# Allegro board 038RT-9068CJK8E-A100_0921_1.brd (continued)
## Placement (name value [footprint] x y rotation side) (continued)
LDB1  LDG-2-S8  [LED_0805]  347.46 18.6 0 top
LDB2  LDG-2-S8  [LED_0805]  339.44 18.61 0 top
LDB3  LDG-2-S8  [LED_0805]  647.33 23.22 0 top
LDB4  LDG-2-S8  [LED_0805]  338.95 30.07 0 top
LDB5  LDG-2-S8  [LED_0805]  338.95 39.37 0 top
LDB6  LDG-2-S8  [LED_0805]  339.58 48.9 180 top
LDOB2  1117-1A-18-SOT223  [SOT223]  53.2 407.03 0 top
LH11  L2.2U-1.15A-S2.0X1.6-TDK  [IND_VL252012E]  211.24 36.83 0 bottom
LH21  L2.2U-1.15A-S2.0X1.6-TDK  [IND_VL252012E]  273.25 36.83 0 bottom
LOGO1  LOGO_RT_Realtek  [LOGO_RT_REALTEK]  337.68 393.7 0 top
LOGO2  -  [LOGO_KT_KSMT]  132.17 95.13 0 top
LRB1  330-1-S6  [R0603]  350.1 17.75 90 top
LRB2  330-1-S6  [R0603]  342.08 17.75 90 top
LRB3  1K-1-S6  [R0603]  646.4 20.96 180 top
LRB4  2K-1-S6  [R0603]  341.61 29.13 270 top
LRB5  1.5K-1-S6  [R0603]  341.62 38.55 270 top
LRB6  1.5K-1-S6  [R0603]  337.04 48.26 270 top
LX1  L1U-3.3A-S2.5X2-TY  [IND_VL252012E]  119.59 37.11 90 top
MOS1  CSD19537Q3-VSON8  [TRANS_VSON8_3P3X3P3_0P65MM]  20.96 387.86 180 top
MQS1  MQS-9X2-MR  [CONN_19635391_18P_90]  6.8 105.03 270 bottom
MUX1  MUX36D04IRUMR-WQFN16  [WQFN4X4_16P_0P65MM_EP_TI]  338.65 275.66 270 bottom
MUX2  MUX36D04IRUMR-WQFN16  [WQFN4X4_16P_0P65MM_EP_TI]  326.89 195.65 270 bottom
MUX3  MUX36D04IRUMR-WQFN16  [WQFN4X4_16P_0P65MM_EP_TI]  327.27 275.66 270 bottom
MUX4  MUX36D04IRUMR-WQFN16  [WQFN4X4_16P_0P65MM_EP_TI]  327.22 241.37 270 bottom
MUX5  MUX36D04IRUMR-WQFN16  [WQFN4X4_16P_0P65MM_EP_TI]  326.89 207.08 270 bottom
MUX6  MUX36D04IRUMR-WQFN16  [WQFN4X4_16P_0P65MM_EP_TI]  338.65 207.08 270 bottom
MUX7  MUX36D04IRUMR-WQFN16  [WQFN4X4_16P_0P65MM_EP_TI]  338.65 241.37 270 bottom
MUX8  MUX36D04IRUMR-WQFN16  [WQFN4X4_16P_0P65MM_EP_TI]  327.22 252.8 270 bottom
MUX9  MUX36D04IRUMR-WQFN16  [WQFN4X4_16P_0P65MM_EP_TI]  338.65 195.65 270 bottom
MUX10  MUX36D04IRUMR-WQFN16  [WQFN4X4_16P_0P65MM_EP_TI]  338.65 252.8 270 bottom
MUX11  MUX36D04IRUMR-WQFN16  [WQFN4X4_16P_0P65MM_EP_TI]  327.22 264.23 270 bottom
MUX12  MUX36D04IRUMR-WQFN16  [WQFN4X4_16P_0P65MM_EP_TI]  338.65 264.23 270 bottom
MUX13  MUX36D04IRUMR-WQFN16  [WQFN4X4_16P_0P65MM_EP_TI]  338.65 229.94 270 bottom
MUX14  MUX36D04IRUMR-WQFN16  [WQFN4X4_16P_0P65MM_EP_TI]  338.65 218.51 270 bottom
MUX15  MUX36D04IRUMR-WQFN16  [WQFN4X4_16P_0P65MM_EP_TI]  326.89 218.51 270 bottom
MUX16  MUX36D04IRUMR-WQFN16  [WQFN4X4_16P_0P65MM_EP_TI]  326.89 229.94 270 bottom
NOREF  -  []  -13.71 220.6 90 top
NOREF#2  -  []  72.6 284.37 0 top
NOREF#3  -  []  89.01 266.63 0 top
NOREF#4  -  []  92.07 289.19 90 top
NOREF#5  -  []  513.71 419.02 90 top
NOREF#6  -  []  291.27 208.23 90 top
NOREF#7  -  []  259.3 244.22 0 top
NOREF#8  -  []  400.72 47.53 90 top
NOREF#9  -  []  402.9 209.4 90 top
NOREF#10  -  []  593.59 202.61 0 top
NOREF#11  -  []  335.29 428.29 90 top
NOREF#12  -  []  288.89 263.45 90 top
NOREF#13  -  []  633.45 137.73 0 top
NOREF#14  -  []  545.02 238.4 0 top
NOREF#15  -  []  595.19 208.25 90 top
NOREF#16  -  []  402.49 267.45 90 top
NOREF#17  -  []  92.07 229.19 90 top
NOREF#18  -  []  616.44 153.42 90 top
NOREF#19  -  []  190.91 447.73 90 top
NOREF#20  -  []  290.9 202.2 90 top
NOREF#21  -  []  437.4 284.38 90 top
NOREF#22  -  []  284.47 207.82 0 top
NOREF#23  -  []  325.92 216.53 0 top
NOREF#24  -  []  20.34 193.68 90 top
NOREF#25  -  []  517.83 415.37 0 top
NOREF#26  -  []  98.17 266.22 0 top
NOREF#27  -  []  596.4 203 90 top
NOREF#28  -  []  455.44 430.09 90 top
NOREF#29  -  []  307.99 28.45 90 top
NOREF#30  -  []  610.95 179.12 90 top
NOREF#31  -  []  90.2 264.6 90 top
NOREF#32  -  []  283.67 263.02 0 top
NOREF#33  -  []  235.4 210.11 90 top
NOREF#34  -  []  8.31 175.65 90 top
NOREF#35  -  []  402.07 205.42 0 top
NOREF#36  -  []  139.3 49.42 90 top
NOREF#37  -  []  89.79 209.01 0 top
NOREF#38  -  []  409.71 208.23 0 top
NOREF#39  -  []  285.3 203 90 top
NOREF#40  -  []  595.17 198.65 90 top
NOREF#41  -  []  12.6 391.36 0 top
NOREF#42  -  []  356.84 34.34 0 top
NOREF#43  -  []  603.19 270.63 0 top
NOREF#44  -  []  243.3 296.22 0 top
NOREF#45  -  []  123.93 47.77 0 top
NOREF#46  -  []  265.96 215.24 90 top
NOREF#47  -  []  618 181.02 90 top
NOREF#48  -  []  592.76 262.63 0 top
NOREF#49  -  []  603.97 208.23 90 top
NOREF#50  -  []  221.05 431.62 90 top
NOREF#51  -  []  404.87 265.83 90 top
NOREF#52  -  []  433.97 50.36 90 top
NOREF#53  -  []  281.44 439.19 0 top
NOREF#54  -  []  283.29 200.23 0 top
NOREF#55  -  []  294.28 243.91 90 top
NOREF#56  -  []  76.56 137.16 90 top
NOREF#57  -  []  280.88 284.18 90 top
NOREF#58  -  []  407.31 273.01 0 top
NOREF#59  -  []  604.02 19.99 0 top
NOREF#60  -  []  92.97 267.45 90 top
NOREF#61  -  []  623.58 219.93 90 top
NOREF#62  -  []  328.18 43.43 0 top
NOREF#63  -  []  602.97 27.29 0 top
NOREF#64  -  []  519.43 419.02 90 top
NOREF#65  -  []  603.99 267.41 0 top
NOREF#66  -  []  604.79 204.21 0 top
NOREF#67  -  []  -13.71 271.4 0 top
NOREF#68  -  []  397.21 439.19 0 top
NOREF#69  -  []  436.2 227.06 0 top
NOREF#70  -  []  95.81 230.09 0 top
NOREF#71  -  []  86.61 210.61 0 top
NOREF#72  -  []  254.87 184.16 0 top
NOREF#73  -  []  286.34 278.14 0 top
NOREF#74  -  []  578.34 153.42 90 top
NOREF#75  -  []  595.99 266.61 0 top
NOREF#76  -  []  592.75 241.71 90 top
NOREF#77  -  []  491.67 436.45 0 top
NOREF#78  -  []  89.77 210.63 90 top
NOREF#79  -  []  601.17 264.62 0 top
NOREF#80  -  []  102.23 229.19 90 top
NOREF#81  -  []  403.29 269.83 90 top
NOREF#82  -  []  234.04 39.2 90 top
NOREF#83  -  []  92.99 263.43 90 top
NOREF#84  -  []  75.45 189.07 0 top
NOREF#85  -  []  13.21 427.47 0 top
NOREF#86  -  []  367.28 205.92 0 top
NOREF#87  -  []  400.89 206.63 90 top
NOREF#88  -  []  508.85 29.72 90 top
NOREF#89  -  []  628.51 261.62 0 top
NOREF#90  -  []  512.11 434.42 0 top
NOREF#91  -  []  111.14 276.9 90 top
NOREF#92  -  []  623.43 338.45 90 top
NOREF#93  -  []  397.27 269.42 0 top
NOREF#94  -  []  88.88 289.44 90 top
NOREF#95  -  []  93.4 265.39 90 top
NOREF#96  -  []  132.95 57.02 0 top
NOREF#97  -  []  25.18 396.01 0 top
NOREF#98  -  []  85.81 208.21 0 top
NOREF#99  -  []  86.97 211.02 0 top
NOREF#100  -  []  58.89 276.31 0 top
NOREF#101  -  []  256.81 206.2 0 top
NOREF#102  -  []  200.25 427.89 90 top
NOREF#103  -  []  566.28 309.63 90 top
NOREF#104  -  []  79.65 179.12 90 top
NOREF#105  -  []  56.94 216.31 0 top
NOREF#106  -  []  60.63 187.41 90 top
NOREF#107  -  []  605.2 207 90 top
NOREF#108  -  []  285.59 278.14 0 top
NOREF#109  -  []  101.96 164.08 0 top
NOREF#110  -  []  92.57 330.58 90 top
NOREF#111  -  []  629.25 166.63 0 top
NOREF#112  -  []  622.66 309.88 0 top
NOREF#113  -  []  287.7 261.39 90 top
NOREF#114  -  []  405.59 278.14 0 top
NOREF#115  -  []  93.81 262.63 0 top
NOREF#116  -  []  597.2 268.6 90 top
NOREF#117  -  []  290.07 268.62 0 top
NOREF#118  -  []  75.12 325.6 0 top
NOREF#119  -  []  91.74 290.09 0 top
NOREF#120  -  []  412.2 222.09 0 top
NOREF#121  -  []  88.57 203.02 0 top
NOREF#122  -  []  518.93 277.5 0 top
NOREF#123  -  []  295.3 226.19 0 top
NOREF#124  -  []  406.92 37.13 90 top
NOREF#125  -  []  627.76 256.98 0 top
NOREF#126  -  []  405.69 261.03 90 top
NOREF#127  -  []  211.55 423.14 90 top
NOREF#128  -  []  284.44 279.42 90 top
NOREF#129  -  []  404.89 209.03 0 top
NOREF#130  -  []  345.5 415.37 0 top
NOREF#131  -  []  143.38 240.39 0 top
NOREF#132  -  []  278.91 35.51 90 top
NOREF#133  -  []  120.03 32.67 90 top
NOREF#134  -  []  2.21 226.48 90 top
NOREF#135  -  []  228.47 432.64 90 top
NOREF#136  -  []  164.3 154.22 90 top
NOREF#137  -  []  278.85 284.18 90 top
NOREF#138  -  []  90.59 205.05 90 top
NOREF#139  -  []  544.43 50.35 90 top
NOREF#140  -  []  123.55 320.04 0 top
NOREF#141  -  []  544.43 48.15 90 top
NOREF#142  -  []  604.77 198.65 90 top
NOREF#143  -  []  594.77 203.82 0 top
NOREF#144  -  []  88.19 269.83 90 top
NOREF#145  -  []  405.67 198.65 90 top
NOREF#146  -  []  627.76 201.62 0 top
NOREF#147  -  []  336.65 232.64 0 top
NOREF#148  -  []  602.77 207.02 0 top
NOREF#149  -  []  334.02 43.18 90 top
NOREF#150  -  []  94.57 264.25 90 top
NOREF#151  -  []  594.39 261.85 90 top
NOREF#152  -  []  88.19 202.61 0 top
NOREF#153  -  []  95.77 211.82 0 top
NOREF#154  -  []  90.91 289.44 90 top
NOREF#155  -  []  13.26 176.2 90 top
NOREF#156  -  []  22.81 385.51 90 top
NOREF#157  -  []  91.37 258.65 90 top
NOREF#158  -  []  414.28 243.91 90 top
NOREF#159  -  []  369.13 332.54 90 top
NOREF#160  -  []  87.8 200.59 90 top
NOREF#161  -  []  310.22 43.28 0 top
NOREF#162  -  []  593.61 269.03 0 top
NOREF#163  -  []  3.19 50.29 90 top
NOREF#164  -  []  274.75 243.91 90 top
NOREF#165  -  []  404.07 201.05 90 top
NOREF#166  -  []  437.41 285.76 90 top
NOREF#167  -  []  18.92 463.94 90 top
NOREF#168  -  []  70.21 137.16 90 top
NOREF#169  -  []  91 211.8 90 top
NOREF#170  -  []  554.62 422.8 90 top
NOREF#171  -  []  86.17 211.82 0 top
NOREF#172  -  []  224.25 429.34 90 top
NOREF#173  -  []  287.7 203 90 top
NOREF#174  -  []  560.97 422.8 90 top
NOREF#175  -  []  182.72 259.08 0 top
NOREF#176  -  []  518.88 28.83 0 top
NOREF#177  -  []  155.82 24.68 0 top
NOREF#178  -  []  683.79 350.52 0 top
NOREF#179  -  []  347.1 428.29 90 top
NOREF#180  -  []  277.14 280.07 0 top
NOREF#181  -  []  683.79 340.36 90 top
NOREF#182  -  []  365.04 263.71 90 top
NOREF#183  -  []  288.5 212.6 90 top
NOREF#184  -  []  400.89 206.65 90 top
NOREF#185  -  []  52.64 154.01 0 top
NOREF#186  -  []  151.93 427.5 90 top
NOREF#187  -  []  601.57 198.65 90 top
NOREF#188  -  []  281.75 283.21 90 top
NOREF#189  -  []  111.14 212.87 90 top
NOREF#190  -  []  288.07 209.83 90 top
NOREF#191  -  []  578.98 309.63 90 top
NOREF#192  -  []  81.47 325.6 0 top
NOREF#193  -  []  279.31 261.81 0 top
NOREF#194  -  []  89.77 204.23 90 top
NOREF#195  -  []  404.89 267.45 90 top
NOREF#196  -  []  97.01 229.44 90 top
NOREF#197  -  []  570.9 279.17 0 top
NOREF#198  -  []  285.71 204.21 0 top
NOREF#199  -  []  597.57 262.63 90 top
NOREF#200  -  []  272.29 378.77 0 top
NOREF#201  -  []  403.29 261.03 90 top
NOREF#202  -  []  747.89 85.99 0 top
NOREF#203  -  []  600.4 207 90 top
NOREF#204  -  []  35.57 402.14 0 top
NOREF#205  -  []  419.7 23.33 90 top
NOREF#206  -  []  674.38 209.28 0 top
NOREF#207  -  []  598.37 271.43 90 top
NOREF#208  -  []  176.21 260.48 90 top
NOREF#209  -  []  747.89 56.17 90 top
NOREF#210  -  []  157.3 225.22 90 top
NOREF#211  -  []  156.88 425.85 90 top
NOREF#212  -  []  6.8 325.12 90 top
NOREF#213  -  []  325.46 40.08 90 top
NOREF#214  -  []  310.79 420.16 90 top
NOREF#215  -  []  606.28 336.17 0 top
NOREF#216  -  []  91.37 268.23 90 top
NOREF#217  -  []  88.19 266.65 90 top
NOREF#218  -  []  352.2 210.11 0 top
NOREF#219  -  []  604.95 242.91 0 top
NOREF#220  -  []  595.17 271.43 90 top
NOREF#221  -  []  519.43 219.56 0 top
NOREF#222  -  []  362.71 261.95 90 top
NOREF#223  -  []  422.18 96.61 90 top
NOREF#224  -  []  250.33 273.28 90 top
NOREF#225  -  []  14.11 147.57 0 top
NOREF#226  -  []  638.54 158.23 90 top
NOREF#227  -  []  73.52 159.77 90 top
NOREF#228  -  []  273.03 205.66 90 top
NOREF#229  -  []  406.1 203 90 top
NOREF#230  -  []  519.64 28.57 90 top
NOREF#231  -  []  608.78 270.47 0 top
NOREF#232  -  []  402.1 200.59 90 top
NOREF#233  -  []  88.6 266.2 90 top
NOREF#234  -  []  130.67 309.63 90 top
NOREF#235  -  []  585 219.22 0 top
NOREF#236  -  []  86.22 330.58 90 top
NOREF#237  -  []  89.79 205.01 0 top
NOREF#238  -  []  423.14 201.84 90 top
NOREF#239  -  []  98.17 202.22 0 top
NOREF#240  -  []  541 433.7 0 top
NOREF#241  -  []  98.17 201.42 0 top
NOREF#242  -  []  76.56 141.22 0 top
NOREF#243  -  []  594.8 207 90 top
NOREF#244  -  []  409.71 269.03 0 top
NOREF#245  -  []  91.41 268.21 0 top
NOREF#246  -  []  104.79 266.48 90 top
NOREF#247  -  []  286.26 429.34 90 top
NOREF#248  -  []  592.79 204.25 90 top
NOREF#249  -  []  175.67 34.34 0 top
NOREF#250  -  []  450.3 165.22 90 top
NOREF#251  -  []  407.27 260.25 90 top
NOREF#252  -  []  411.29 268.25 90 top
NOREF#253  -  []  87.39 211.45 90 top
NOREF#254  -  []  602.39 272.23 90 top
NOREF#255  -  []  413.17 221.66 0 top
NOREF#256  -  []  536 186.22 90 top
NOREF#257  -  []  602.77 206.22 0 top
NOREF#258  -  []  410.07 208.62 0 top
NOREF#259  -  []  176.21 266.69 90 top
NOREF#260  -  []  290.07 209.42 0 top
NOREF#261  -  []  280.89 210.61 0 top
NOREF#262  -  []  173.1 216.36 0 top
NOREF#263  -  []  607.48 210.92 0 top
NOREF#264  -  []  601.17 269.42 0 top
NOREF#265  -  []  690.26 210.48 90 top
NOREF#266  -  []  602 200.59 90 top
NOREF#267  -  []  293.67 207.43 90 top
NOREF#268  -  []  407.7 211.8 90 top
NOREF#269  -  []  602.41 269.03 0 top
NOREF#270  -  []  493.48 28.83 0 top
NOREF#271  -  []  410.07 270.22 0 top
NOREF#272  -  []  245.04 211.34 90 top
NOREF#273  -  []  600.01 210.61 0 top
NOREF#274  -  []  96.19 205.05 90 top
NOREF#275  -  []  357.85 225.12 0 top
NOREF#276  -  []  40.87 393.84 90 top
NOREF#277  -  []  292.09 211.41 0 top
NOREF#278  -  []  201.73 144.61 0 top
NOREF#279  -  []  124.85 246.22 90 top
NOREF#280  -  []  87.41 201.81 0 top
NOREF#281  -  []  98.92 309.63 90 top
NOREF#282  -  []  88.19 201.03 90 top
NOREF#283  -  []  72.02 201.92 90 top
NOREF#284  -  []  408.09 201.03 0 top
NOREF#285  -  []  491.67 436.45 90 top
NOREF#286  -  []  89.79 269.01 0 top
NOREF#287  -  []  97.79 209.01 0 top
NOREF#288  -  []  84.82 289.44 90 top
NOREF#289  -  []  412.2 218.14 0 top
NOREF#290  -  []  638.54 368.07 0 top
NOREF#291  -  []  -13.71 271.4 90 top
NOREF#292  -  []  330.29 216.51 90 top
NOREF#293  -  []  383.3 286.22 0 top
NOREF#294  -  []  104.51 268.11 0 top
NOREF#295  -  []  10.39 295.92 0 top
NOREF#296  -  []  269.26 418.84 0 top
NOREF#297  -  []  549.42 238.4 0 top
NOREF#298  -  []  259.01 266.2 0 top
NOREF#299  -  []  366.3 205.49 90 top
NOREF#300  -  []  254.99 422.36 90 top
NOREF#301  -  []  275.11 280.07 0 top
NOREF#302  -  []  171.22 438.45 90 top
NOREF#303  -  []  151.93 431.9 90 top
NOREF#304  -  []  27.3 398.43 0 top
NOREF#305  -  []  604.79 204.23 0 top
NOREF#306  -  []  603.6 211 90 top
NOREF#307  -  []  665.97 8.25 90 top
NOREF#308  -  []  287.31 264.21 0 top
NOREF#309  -  []  609.08 213.32 90 top
NOREF#310  -  []  293.69 266.65 90 top
NOREF#311  -  []  498.69 29.72 90 top
NOREF#312  -  []  290.47 271.45 90 top
NOREF#313  -  []  574.23 325.6 0 top
NOREF#314  -  []  195.9 214.96 90 top
NOREF#315  -  []  62.77 193.11 0 top
NOREF#316  -  []  92.99 199.45 90 top
NOREF#317  -  []  96.13 229.19 90 top
NOREF#318  -  []  50.35 235.47 90 top
NOREF#319  -  []  588.37 160.02 90 top
NOREF#320  -  []  401.69 199.43 0 top
NOREF#321  -  []  404.87 265.03 90 top
NOREF#322  -  []  89.79 261.85 90 top
NOREF#323  -  []  468.22 144.61 0 top
NOREF#324  -  []  599.17 207.45 90 top
NOREF#325  -  []  309.28 271.63 90 top
NOREF#326  -  []  711.28 193.4 90 top
NOREF#327  -  []  49.95 408.79 0 top
NOREF#328  -  []  336.31 40.37 0 top
NOREF#329  -  []  356.63 444.8 90 top
NOREF#330  -  []  408.47 211.82 0 top
NOREF#331  -  []  510.28 416.31 90 top
NOREF#332  -  []  232.2 270.11 0 top
NOREF#333  -  []  284.07 261.05 90 top
NOREF#334  -  []  91.41 208.21 0 top
NOREF#335  -  []  286.9 209.4 90 top
NOREF#336  -  []  276.79 378.54 0 top
NOREF#337  -  []  94.17 203.02 0 top
NOREF#338  -  []  334.02 34.54 90 top
NOREF#339  -  []  286.49 203.43 90 top
NOREF#340  -  []  170.9 222.56 0 top
NOREF#341  -  []  354.63 43.03 0 top
NOREF#342  -  []  124.32 159.77 90 top
NOREF#343  -  []  284.47 267.82 0 top
NOREF#344  -  []  559.16 50.59 0 top
NOREF#345  -  []  408.07 198.65 90 top
NOREF#346  -  []  605.57 204.23 90 top
NOREF#347  -  []  54.59 138.62 0 top
NOREF#348  -  []  601.17 263.82 0 top
NOREF#349  -  []  437.41 283.73 90 top
NOREF#350  -  []  15.63 421.73 90 top
NOREF#351  -  []  161.06 32 0 top
NOREF#352  -  []  280.89 262.63 90 top
NOREF#353  -  []  193.95 443.92 90 top
NOREF#354  -  []  282.49 270.63 0 top
NOREF#355  -  []  91 273.4 90 top
NOREF#356  -  []  340.05 29.35 90 top
NOREF#357  -  []  407.9 193.53 90 top
NOREF#358  -  []  244.78 204.62 0 top
NOREF#359  -  []  409.69 209.81 0 top
NOREF#360  -  []  3.19 50.29 90 top
NOREF#361  -  []  90.97 130.38 0 top
NOREF#362  -  []  92.19 267.43 90 top
NOREF#363  -  []  416.45 263.55 90 top
NOREF#364  -  []  207.73 260.48 90 top
NOREF#365  -  []  282.59 283.86 0 top
NOREF#366  -  []  4.29 215.18 0 top
NOREF#367  -  []  15.31 49.04 90 top
NOREF#368  -  []  599.6 204.6 90 top
NOREF#369  -  []  91.62 279.97 90 top
NOREF#370  -  []  591.57 207.82 0 top
NOREF#371  -  []  278.1 273.42 0 top
NOREF#372  -  []  18.92 423.82 0 top
NOREF#373  -  []  195.72 50.36 90 top
NOREF#374  -  []  -57.3 359.4 0 top
NOREF#375  -  []  19.97 399.67 90 top
NOREF#376  -  []  201.75 416.84 90 top
NOREF#377  -  []  89.79 209.83 90 top
NOREF#378  -  []  280.89 206.65 90 top
NOREF#379  -  []  411.29 203.43 0 top
NOREF#380  -  []  3.19 176.66 90 top
NOREF#381  -  []  278.1 259.02 90 top
NOREF#382  -  []  336.67 194.67 90 top
NOREF#383  -  []  439.11 220.64 0 top
NOREF#384  -  []  405.67 258.65 90 top
NOREF#385  -  []  399.31 267.43 0 top
NOREF#386  -  []  283.79 219.4 90 top
NOREF#387  -  []  623.43 331.22 90 top
NOREF#388  -  []  291.7 271.79 90 top
NOREF#389  -  []  279.67 267.82 0 top
NOREF#390  -  []  400.43 436.44 0 top
NOREF#391  -  []  76.66 262.82 0 top
NOREF#392  -  []  337.68 41.15 90 top
NOREF#393  -  []  682.28 175.65 90 top
NOREF#394  -  []  593.59 263.45 90 top
NOREF#395  -  []  98.17 264.62 0 top
NOREF#396  -  []  287.31 207.43 0 top
NOREF#397  -  []  292.09 268.21 0 top
NOREF#398  -  []  400.08 191.74 90 top
NOREF#399  -  []  81.66 197.87 90 top
NOREF#400  -  []  450.71 431.58 90 top
NOREF#401  -  []  175.84 23.47 0 top
NOREF#402  -  []  549.02 439.84 90 top
NOREF#403  -  []  612.96 208.8 90 top
NOREF#404  -  []  232.75 326.54 90 top
NOREF#405  -  []  91.41 260.23 0 top
NOREF#406  -  []  285.3 266.22 0 top
NOREF#407  -  []  72.75 309.88 0 top
NOREF#408  -  []  314.33 378.54 0 top
NOREF#409  -  []  282.64 439.19 0 top
NOREF#410  -  []  276.81 284.18 90 top
NOREF#411  -  []  404.11 205.03 0 top
NOREF#412  -  []  411.27 268.23 90 top
NOREF#413  -  []  341.24 17.61 90 top
NOREF#414  -  []  631.5 368.07 0 top
NOREF#415  -  []  406.49 259.43 0 top
NOREF#416  -  []  31.61 146.69 0 top
NOREF#417  -  []  6.8 89.79 90 top
NOREF#418  -  []  365.04 202.32 90 top
NOREF#419  -  []  601.17 209.42 0 top
NOREF#420  -  []  408.47 210.22 0 top
NOREF#421  -  []  276.31 219.42 90 top
NOREF#422  -  []  439.11 224.7 0 top
NOREF#423  -  []  559.57 429.85 90 top
NOREF#424  -  []  218.06 42.53 0 top
NOREF#425  -  []  592.37 201.42 0 top
NOREF#426  -  []  141.16 432.9 90 top
NOREF#427  -  []  59.69 368.97 90 top
NOREF#428  -  []  16.37 405.76 90 top
NOREF#429  -  []  399.2 428.64 90 top
NOREF#430  -  []  353.03 27.05 90 top
NOREF#431  -  []  282.1 269.39 90 top
NOREF#432  -  []  622.79 136.27 90 top
NOREF#433  -  []  6.8 89.79 90 top
NOREF#434  -  []  284.5 269.39 90 top
NOREF#435  -  []  295.3 286.19 0 top
NOREF#436  -  []  479.26 59.33 315 top
NOREF#437  -  []  24.7 11.57 0 top
NOREF#438  -  []  287.67 267.02 0 top
NOREF#439  -  []  207.25 418.84 0 top
NOREF#440  -  []  94.61 206.63 0 top
NOREF#441  -  []  700.31 228.6 0 top
NOREF#442  -  []  422.18 326.54 90 top
NOREF#443  -  []  79.6 253.22 0 top
NOREF#444  -  []  283.29 204.23 90 top
NOREF#445  -  []  -57.3 253.42 90 top
NOREF#446  -  []  24.62 65.41 0 top
NOREF#447  -  []  89.26 141.22 0 top
NOREF#448  -  []  92.97 259.45 90 top
NOREF#449  -  []  439.11 226.73 0 top
NOREF#450  -  []  399.31 201.81 0 top
NOREF#451  -  []  434.68 274.83 0 top
NOREF#452  -  []  325.22 243.37 0 top
NOREF#453  -  []  34.34 258.72 90 top
NOREF#454  -  []  506.73 426.39 90 top
NOREF#455  -  []  111.14 216.9 90 top
NOREF#456  -  []  90.2 269.39 90 top
NOREF#457  -  []  574.97 192.26 90 top
NOREF#458  -  []  141.18 234.04 0 top
NOREF#459  -  []  582.96 422.55 0 top
NOREF#460  -  []  279.31 267.43 0 top
NOREF#461  -  []  355.4 203 90 top
NOREF#462  -  []  352.82 428.29 90 top
NOREF#463  -  []  282.9 269.39 90 top
NOREF#464  -  []  546.97 19.23 0 top
NOREF#465  -  []  603.19 201.83 0 top
NOREF#466  -  []  52.64 386.09 90 top
NOREF#467  -  []  97.37 263.82 0 top
NOREF#468  -  []  595.21 260.23 0 top
NOREF#469  -  []  397.88 43.68 0 top
NOREF#470  -  []  278.85 280.37 90 top
NOREF#471  -  []  81.77 314.58 0 top
NOREF#472  -  []  356 284.13 90 top
NOREF#473  -  []  461.09 43.68 0 top
NOREF#474  -  []  343.73 342.54 90 top
NOREF#475  -  []  398.87 269.42 0 top
NOREF#476  -  []  498.27 219.56 0 top
NOREF#477  -  []  379.53 416.84 90 top
NOREF#478  -  []  606.65 240.8 90 top
NOREF#479  -  []  27.76 392.59 0 top
NOREF#480  -  []  592.37 271.82 0 top
NOREF#481  -  []  286.49 204.23 0 top
NOREF#482  -  []  190.56 177.16 0 top
NOREF#483  -  []  58.14 276.31 0 top
NOREF#484  -  []  241.79 224.66 90 top
NOREF#485  -  []  277.27 269.42 0 top
NOREF#486  -  []  284.91 264.21 0 top
NOREF#487  -  []  102.23 289.19 90 top
NOREF#488  -  []  272.35 179.12 90 top
NOREF#489  -  []  592.37 268.62 0 top
NOREF#490  -  []  177.86 265.29 90 top
NOREF#491  -  []  279.76 435.84 0 top
NOREF#492  -  []  280.66 40.93 0 top
NOREF#493  -  []  7.76 146.3 90 top
NOREF#494  -  []  286.49 209.03 90 top
NOREF#495  -  []  280.09 208.25 90 top
NOREF#496  -  []  618.68 347.19 0 top
NOREF#497  -  []  631.5 153.12 0 top
NOREF#498  -  []  437.4 286.41 90 top
NOREF#499  -  []  615.17 269.12 90 top
NOREF#500  -  []  508.45 448.21 90 top
NOREF#501  -  []  595.19 272.21 0 top
NOREF#502  -  []  92.97 264.25 90 top
NOREF#503  -  []  441.2 378.54 0 top
NOREF#504  -  []  412.35 225.56 90 top
NOREF#505  -  []  275.66 223.21 90 top
NOREF#506  -  []  356.58 229.54 0 top
NOREF#507  -  []  393.06 190.84 90 top
NOREF#508  -  []  601.2 271.79 90 top
NOREF#509  -  []  238.83 270.99 0 top
NOREF#510  -  []  631.5 360.47 90 top
NOREF#511  -  []  58.29 144.76 90 top
NOREF#512  -  []  638.54 145.52 90 top
NOREF#513  -  []  598.85 182.91 0 top
NOREF#514  -  []  246.3 205.49 90 top
NOREF#515  -  []  157.34 222.56 0 top
NOREF#516  -  []  623.88 224.89 0 top
NOREF#517  -  []  411.31 273.01 0 top
NOREF#518  -  []  591.21 270.63 0 top
NOREF#519  -  []  284.09 209.03 0 top
NOREF#520  -  []  405.3 261.39 90 top
NOREF#521  -  []  411.27 209.03 90 top
NOREF#522  -  []  283.27 258.65 90 top
NOREF#523  -  []  98.59 272.23 90 top
NOREF#524  -  []  189.31 434.8 90 top
NOREF#525  -  []  20.34 283.52 0 top
NOREF#526  -  []  272.35 179.12 0 top
NOREF#527  -  []  513.8 28.83 0 top
NOREF#528  -  []  392.3 279.22 0 top
NOREF#529  -  []  447.2 330.54 90 top
NOREF#530  -  []  89.01 265.83 0 top
NOREF#531  -  []  166.95 282.81 90 top
NOREF#532  -  []  59.69 376.57 0 top
NOREF#533  -  []  85.81 268.23 0 top
NOREF#534  -  []  89.37 206.22 0 top
NOREF#535  -  []  272.3 219.22 0 top
NOREF#536  -  []  440.02 280.31 0 top
NOREF#537  -  []  602.39 201.83 0 top
NOREF#538  -  []  602.39 263.45 90 top
NOREF#539  -  []  174.78 27.61 90 top
NOREF#540  -  []  378.17 53.56 90 top
NOREF#541  -  []  166.78 27.05 90 top
NOREF#542  -  []  679.31 292.82 0 top
NOREF#543  -  []  599.99 263.43 90 top
NOREF#544  -  []  584.63 255.55 0 top
NOREF#545  -  []  336.65 198.35 0 top
NOREF#546  -  []  96.99 259.45 90 top
NOREF#547  -  []  600.81 201.81 0 top
NOREF#548  -  []  606.33 181.7 0 top
NOREF#549  -  []  538.08 52.55 90 top
NOREF#550  -  []  634.21 261.68 0 top
NOREF#551  -  []  88.57 267.82 0 top
NOREF#552  -  []  147.51 432.9 90 top
NOREF#553  -  []  246.53 273.53 0 top
NOREF#554  -  []  -11.44 173.92 0 top
NOREF#555  -  []  194.25 228.77 90 top
NOREF#556  -  []  412.87 202.65 90 top
NOREF#557  -  []  106.35 215.65 90 top
NOREF#558  -  []  51.69 410.53 0 top
NOREF#559  -  []  602.39 205.03 0 top
NOREF#560  -  []  378.7 32.38 90 top
NOREF#561  -  []  413.69 261.05 90 top
NOREF#562  -  []  404.09 269.83 90 top
NOREF#563  -  []  137.98 240.39 0 top
NOREF#564  -  []  410.87 201.42 0 top
NOREF#565  -  []  130.67 319.79 90 top
NOREF#566  -  []  625.03 325.6 0 top
NOREF#567  -  []  182.96 434.8 90 top
NOREF#568  -  []  617.84 334.01 90 top
NOREF#569  -  []  406.47 202.63 90 top
NOREF#570  -  []  51.24 157.48 90 top
NOREF#571  -  []  207.73 96.61 90 top
NOREF#572  -  []  610.09 130.56 90 top
NOREF#573  -  []  3.19 17.91 90 top
NOREF#574  -  []  603.99 206.65 90 top
NOREF#575  -  []  529.78 232.05 0 top
NOREF#576  -  []  591.27 181.05 90 top
NOREF#577  -  []  61.87 253.36 0 top
NOREF#578  -  []  591.04 157.23 0 top
NOREF#579  -  []  90.2 204.6 90 top
NOREF#580  -  []  615.48 149.4 90 top
NOREF#581  -  []  607.87 17.54 90 top
NOREF#582  -  []  406.1 268.6 90 top
NOREF#583  -  []  86.97 263.82 0 top
NOREF#584  -  []  101.72 289.46 90 top
NOREF#585  -  []  617.08 309.63 90 top
NOREF#586  -  []  150.53 425.85 90 top
NOREF#587  -  []  97.01 270.63 0 top
NOREF#588  -  []  66.53 157.86 0 top
NOREF#589  -  []  251.52 53.56 90 top
NOREF#590  -  []  392.3 253.22 90 top
NOREF#591  -  []  49.36 427.88 0 top
NOREF#592  -  []  85.47 229.46 90 top
NOREF#593  -  []  556.62 164.08 0 top
NOREF#594  -  []  352.2 263 0 top
NOREF#595  -  []  285.71 269.81 0 top
NOREF#596  -  []  282.51 210.61 0 top
NOREF#597  -  []  602.37 261.05 90 top
NOREF#598  -  []  218.5 444.45 0 top
NOREF#599  -  []  281.69 210.63 0 top
NOREF#600  -  []  567.04 312.42 90 top
NOREF#601  -  []  599.21 204.21 0 top
NOREF#602  -  []  289.69 209.81 0 top
NOREF#603  -  []  117.97 159.77 90 top
NOREF#604  -  []  672.31 222.97 0 top
NOREF#605  -  []  526.3 154.22 90 top
NOREF#606  -  []  556.37 424.45 0 top
NOREF#607  -  []  441.21 286.41 90 top
NOREF#608  -  []  569.32 42.97 90 top
NOREF#609  -  []  603.99 261.83 0 top
NOREF#610  -  []  195.82 21.92 0 top
NOREF#611  -  []  360.41 424.48 90 top
NOREF#612  -  []  673.94 61.21 90 top
NOREF#613  -  []  98.59 264.21 0 top
NOREF#614  -  []  291.29 268.25 90 top
NOREF#615  -  []  285.69 271.43 90 top
NOREF#616  -  []  91.37 198.65 90 top
NOREF#617  -  []  593.17 206.22 0 top
NOREF#618  -  []  94.61 268.23 0 top
NOREF#619  -  []  190.56 177.16 90 top
NOREF#620  -  []  111.62 316.87 90 top
NOREF#621  -  []  85.4 259.02 90 top
NOREF#622  -  []  86.59 209.81 0 top
NOREF#623  -  []  606.37 200.23 90 top
NOREF#624  -  []  367.28 273.53 0 top
NOREF#625  -  []  259.01 213.31 0 top
NOREF#626  -  []  598.8 264.6 90 top
NOREF#627  -  []  183.92 445.82 90 top
NOREF#628  -  []  279.7 200.59 90 top
NOREF#629  -  []  578.21 309.88 0 top
NOREF#630  -  []  8.31 143.27 90 top
NOREF#631  -  []  599.19 266.63 90 top
NOREF#632  -  []  174.78 23.16 0 top
NOREF#633  -  []  417.35 265.79 90 top
NOREF#634  -  []  410.47 200.25 90 top
NOREF#635  -  []  579.74 312.42 90 top
NOREF#636  -  []  590.91 309.88 0 top
NOREF#637  -  []  543.37 230.65 0 top
NOREF#638  -  []  360.52 224.66 0 top
NOREF#639  -  []  400.07 269.03 90 top
NOREF#640  -  []  19.69 387.3 90 top
NOREF#641  -  []  402.07 267.02 0 top
NOREF#642  -  []  101.07 229.44 90 top
NOREF#643  -  []  587.23 314.58 0 top
NOREF#644  -  []  193.62 271.5 90 top
NOREF#645  -  []  89.79 202.65 90 top
NOREF#646  -  []  603.99 267.45 90 top
NOREF#647  -  []  247.06 443.79 0 top
NOREF#648  -  []  243.3 286.22 0 top
NOREF#649  -  []  402.97 252.32 90 top
NOREF#650  -  []  75.42 314.58 0 top
NOREF#651  -  []  128.53 52.62 90 top
NOREF#652  -  []  575.96 40.13 0 top
NOREF#653  -  []  358.37 32.31 90 top
NOREF#654  -  []  129.9 309.88 0 top
NOREF#655  -  []  594.14 182.9 0 top
NOREF#656  -  []  370.33 265.66 90 top
NOREF#657  -  []  334.02 444.8 90 top
NOREF#658  -  []  628.81 256.73 90 top
NOREF#659  -  []  256.57 183.26 90 top
NOREF#660  -  []  98.57 272.25 90 top
NOREF#661  -  []  318.15 48.13 0 top
NOREF#662  -  []  604.95 241.71 90 top
NOREF#663  -  []  514.03 260.48 90 top
NOREF#664  -  []  365.04 211.34 90 top
NOREF#665  -  []  337.78 47.9 90 top
NOREF#666  -  []  78.61 198.12 0 top
NOREF#667  -  []  290.87 271.02 0 top
NOREF#668  -  []  690.26 229.53 90 top
NOREF#669  -  []  90.97 153.24 0 top
NOREF#670  -  []  400.09 268.25 90 top
NOREF#671  -  []  289.67 208.25 90 top
NOREF#672  -  []  624.78 279.93 0 top
NOREF#673  -  []  598 208.6 90 top
NOREF#674  -  []  407.89 217.54 90 top
NOREF#675  -  []  593.97 271.82 0 top
NOREF#676  -  []  442.21 21.33 0 top
NOREF#677  -  []  129.87 46.88 0 top
NOREF#678  -  []  603.57 260.62 0 top
NOREF#679  -  []  604.79 264.21 0 top
NOREF#680  -  []  288.07 203.45 90 top
NOREF#681  -  []  599.63 322.4 90 top
NOREF#682  -  []  284.09 209.83 90 top
NOREF#683  -  []  285.82 283.21 90 top
NOREF#684  -  []  601.17 203.82 0 top
NOREF#685  -  []  325.92 193.67 0 top
NOREF#686  -  []  115.3 280.48 0 top
NOREF#687  -  []  598.41 204.21 0 top
NOREF#688  -  []  326.24 250.82 0 top
NOREF#689  -  []  523.56 443.3 0 top
NOREF#690  -  []  100.2 229.19 90 top
NOREF#691  -  []  279.67 211.82 0 top
NOREF#692  -  []  238.79 454.84 315 top
NOREF#693  -  []  118.73 312.42 90 top
NOREF#694  -  []  281.27 268.62 0 top
NOREF#695  -  []  406.9 203 90 top
NOREF#696  -  []  274.78 284.18 90 top
NOREF#697  -  []  587.69 22.75 90 top
NOREF#698  -  []  503.67 276.1 0 top
NOREF#699  -  []  634.88 196.03 90 top
NOREF#700  -  []  591.94 223.47 90 top
NOREF#701  -  []  125.08 312.42 90 top
NOREF#702  -  []  360.57 266.37 90 top
NOREF#703  -  []  305.55 426.36 0 top
NOREF#704  -  []  275.66 283.21 90 top
NOREF#705  -  []  235.89 290.13 0 top
NOREF#706  -  []  594.77 206.22 0 top
NOREF#707  -  []  493.61 33.53 0 top
NOREF#708  -  []  216.91 35.51 90 top
NOREF#709  -  []  606.37 260.23 90 top
NOREF#710  -  []  32.29 228.6 0 top
NOREF#711  -  []  173.01 272.9 0 top
NOREF#712  -  []  610.09 153.42 90 top
NOREF#713  -  []  273.06 190.84 90 top
NOREF#714  -  []  63.36 202.31 90 top
NOREF#715  -  []  91.56 289.46 90 top
NOREF#716  -  []  585.18 241.05 90 top
NOREF#717  -  []  142.56 425.85 90 top
NOREF#718  -  []  258.26 32.38 90 top
NOREF#719  -  []  358.83 210.99 0 top
NOREF#720  -  []  87.82 346.56 0 top
NOREF#721  -  []  405.11 194.75 0 top
NOREF#722  -  []  279.72 283.21 90 top
NOREF#723  -  []  665.97 15.88 0 top
NOREF#724  -  []  622.83 279.93 0 top
NOREF#725  -  []  412.09 272.23 90 top
NOREF#726  -  []  360.41 414.58 90 top
NOREF#727  -  []  74.45 186.22 90 top
NOREF#728  -  []  96.99 265.03 90 top
NOREF#729  -  []  678.41 295.92 0 top
NOREF#730  -  []  330.54 43.28 0 top
NOREF#731  -  []  434.28 28.72 0 top
NOREF#732  -  []  678.41 276.87 0 top
NOREF#733  -  []  0.3 488.44 0 top
NOREF#734  -  []  288.5 201.39 90 top
NOREF#735  -  []  436.51 218.61 0 top
NOREF#736  -  []  408.87 259.45 90 top
NOREF#737  -  []  591.57 206.22 0 top
NOREF#738  -  []  656.68 65.06 90 top
NOREF#739  -  []  591.21 207.43 0 top
NOREF#740  -  []  410.47 260.2 90 top
NOREF#741  -  []  91.39 268.23 0 top
NOREF#742  -  []  574.07 423.82 0 top
NOREF#743  -  []  288.09 211.43 90 top
NOREF#744  -  []  597.57 205.03 90 top
NOREF#745  -  []  290.49 210.63 0 top
NOREF#746  -  []  335.62 43.28 0 top
NOREF#747  -  []  476.12 44.59 90 top
NOREF#748  -  []  284.5 209.4 90 top
NOREF#749  -  []  578.98 159.77 90 top
NOREF#750  -  []  297.85 201.92 0 top
NOREF#751  -  []  312.94 27.56 0 top
NOREF#752  -  []  366.3 213.11 90 top
NOREF#753  -  []  584.56 309.88 0 top
NOREF#754  -  []  124.32 319.79 90 top
NOREF#755  -  []  360.41 424.48 0 top
NOREF#756  -  []  593.61 199.41 0 top
NOREF#757  -  []  441.21 218.28 90 top
NOREF#758  -  []  588.69 182.91 0 top
NOREF#759  -  []  98.16 230.41 90 top
NOREF#760  -  []  575.29 15.05 90 top
NOREF#761  -  []  87 260.59 90 top
NOREF#762  -  []  594.79 182.91 0 top
NOREF#763  -  []  436.21 286.41 0 top
NOREF#764  -  []  284.87 259.45 90 top
NOREF#765  -  []  497.24 96.61 90 top
NOREF#766  -  []  487.91 231.97 0 top
NOREF#767  -  []  98.28 154.05 90 top
NOREF#768  -  []  528.13 190.34 0 top
NOREF#769  -  []  52.64 373.37 90 top
NOREF#770  -  []  631.5 147.72 90 top
NOREF#771  -  []  289.69 211.41 0 top
NOREF#772  -  []  81.36 202.82 90 top
NOREF#773  -  []  86.22 309.63 90 top
NOREF#774  -  []  600.4 200.59 90 top
NOREF#775  -  []  410.95 225.56 90 top
NOREF#776  -  []  59.69 159.13 90 top
NOREF#777  -  []  440.01 280.96 0 top
NOREF#778  -  []  596.77 205.85 90 top
NOREF#779  -  []  401.71 210.61 0 top
NOREF#780  -  []  43.47 467.46 90 top
NOREF#781  -  []  415.58 44.59 90 top
NOREF#782  -  []  96.19 265.85 90 top
NOREF#783  -  []  408.09 263.43 90 top
NOREF#784  -  []  115.95 220.49 0 top
NOREF#785  -  []  106.09 267.33 90 top
NOREF#786  -  []  592.37 267.02 0 top
NOREF#787  -  []  216.64 43.68 0 top
NOREF#788  -  []  93.57 194.24 90 top
NOREF#789  -  []  195.72 53.56 90 top
NOREF#790  -  []  272.3 193.22 90 top
NOREF#791  -  []  253.61 273.31 0 top
NOREF#792  -  []  21.94 386.24 90 top
NOREF#793  -  []  297.83 32.26 0 top
NOREF#794  -  []  418.18 144.61 0 top
NOREF#795  -  []  379.53 416.84 0 top
NOREF#796  -  []  282.91 279.15 90 top
NOREF#797  -  []  89.26 160.02 90 top
NOREF#798  -  []  88.57 205.42 0 top
NOREF#799  -  []  91 266.99 90 top
NOREF#800  -  []  323.86 27.31 90 top
NOREF#801  -  []  158.28 427.5 90 top
NOREF#802  -  []  72.75 330.83 0 top
NOREF#803  -  []  287.29 273.01 0 top
NOREF#804  -  []  427.77 447.45 0 top
NOREF#805  -  []  360.31 442.9 90 top
NOREF#806  -  []  218.06 38.13 90 top
NOREF#807  -  []  73.52 136.91 90 top
NOREF#808  -  []  347.95 53.34 90 top
NOREF#809  -  []  68.6 241.02 0 top
NOREF#810  -  []  287.27 258.65 90 top
NOREF#811  -  []  285.69 261.03 90 top
NOREF#812  -  []  406.07 212.62 0 top
NOREF#813  -  []  624.19 312.42 90 top
NOREF#814  -  []  636.29 368.87 0 top
NOREF#815  -  []  99.37 205.83 90 top
NOREF#816  -  []  503.77 49.4 0 top
NOREF#817  -  []  72.02 261.92 90 top
NOREF#818  -  []  572.8 286.22 0 top
NOREF#819  -  []  516.12 443.53 90 top
NOREF#820  -  []  441.22 225.76 90 top
NOREF#821  -  []  97.79 269.01 0 top
NOREF#822  -  []  578.98 316.87 90 top
NOREF#823  -  []  89.93 224.86 90 top
NOREF#824  -  []  409.67 268.25 90 top
NOREF#825  -  []  283.29 209.83 90 top
NOREF#826  -  []  407.29 207.41 0 top
NOREF#827  -  []  368.06 444.8 0 top
NOREF#828  -  []  439.11 222.67 0 top
NOREF#829  -  []  407.59 217.29 90 top
NOREF#830  -  []  158.52 445.82 90 top
NOREF#831  -  []  404.64 182.02 90 top
NOREF#832  -  []  91 271.79 90 top
NOREF#833  -  []  89.01 206.63 0 top
NOREF#834  -  []  611.36 136.27 90 top
NOREF#835  -  []  334.02 426.39 0 top
NOREF#836  -  []  184.37 260.48 0 top
NOREF#837  -  []  127.13 241.79 0 top
NOREF#838  -  []  440.18 50.36 90 top
NOREF#839  -  []  347.8 210.11 0 top
NOREF#840  -  []  404.89 263.41 0 top
NOREF#841  -  []  59.69 383.89 90 top
NOREF#842  -  []  280.55 223.86 0 top
NOREF#843  -  []  326.3 273.68 0 top
NOREF#844  -  []  408.5 272.6 90 top
NOREF#845  -  []  83.94 230.41 90 top
NOREF#846  -  []  406.32 195.14 0 top
NOREF#847  -  []  556.62 160.02 90 top
NOREF#848  -  []  273.06 250.84 90 top
NOREF#849  -  []  104.26 289.19 90 top
NOREF#850  -  []  34.34 226.97 90 top
NOREF#851  -  []  291.29 201.03 90 top
NOREF#852  -  []  543.37 237 0 top
NOREF#853  -  []  79.65 239.12 90 top
NOREF#854  -  []  288.89 212.23 0 top
NOREF#855  -  []  103.68 208.13 0 top
NOREF#856  -  []  412.07 269.85 90 top
NOREF#857  -  []  447.71 23.33 0 top
NOREF#858  -  []  172.35 286.01 0 top
NOREF#859  -  []  404.91 264.21 0 top
NOREF#860  -  []  408.89 205.85 90 top
NOREF#861  -  []  92.57 316.87 90 top
NOREF#862  -  []  613.77 164.08 0 top
NOREF#863  -  []  259.76 21.33 0 top
NOREF#864  -  []  281.2 220.07 0 top
NOREF#865  -  []  329.7 30.1 90 top
NOREF#866  -  []  488.53 33.53 0 top
NOREF#867  -  []  594.77 205.42 0 top
NOREF#868  -  []  59.69 163.53 90 top
NOREF#869  -  []  328.94 34.54 90 top
NOREF#870  -  []  508.62 45.09 0 top
NOREF#871  -  []  95.77 260.62 0 top
NOREF#872  -  []  340.65 273.66 90 top
NOREF#873  -  []  602.77 266.22 0 top
NOREF#874  -  []  284.09 270.63 0 top
NOREF#875  -  []  502.92 447.93 0 top
NOREF#876  -  []  87.39 271.45 90 top
NOREF#877  -  []  288.87 272.23 90 top
NOREF#878  -  []  95.63 229.46 90 top
NOREF#879  -  []  670.26 224.48 0 top
NOREF#880  -  []  14.11 26.29 0 top
NOREF#881  -  []  97.37 265.42 0 top
NOREF#882  -  []  282.47 269.83 90 top
NOREF#883  -  []  565.51 309.88 0 top
NOREF#884  -  []  283.7 211 90 top
NOREF#885  -  []  349.6 230.73 0 top
NOREF#886  -  []  345.83 426.39 0 top
NOREF#887  -  []  339.41 415.37 90 top
NOREF#888  -  []  79.1 309.88 0 top
NOREF#889  -  []  611.36 127 90 top
NOREF#890  -  []  412.09 201.81 0 top
NOREF#891  -  []  347.8 270.11 0 top
NOREF#892  -  []  283.67 268.62 0 top
NOREF#893  -  []  278.1 199.02 90 top
NOREF#894  -  []  369.52 49.56 0 top
NOREF#895  -  []  607.48 275.62 0 top
NOREF#896  -  []  242.71 261.95 90 top
NOREF#897  -  []  247.28 205.92 0 top
NOREF#898  -  []  116.24 432.93 0 top
NOREF#899  -  []  412.2 282.09 0 top
NOREF#900  -  []  578.98 149.86 90 top
NOREF#901  -  []  298.76 144.84 0 top
NOREF#902  -  []  618 241.02 90 top
NOREF#903  -  []  284.64 182.02 90 top
NOREF#904  -  []  282.07 265.42 0 top
NOREF#905  -  []  404.87 269.85 90 top
NOREF#906  -  []  595.19 266.63 0 top
NOREF#907  -  []  430.5 219.17 0 top
NOREF#908  -  []  599.19 272.21 0 top
NOREF#909  -  []  595.99 265.01 0 top
NOREF#910  -  []  77.56 257.87 0 top
NOREF#911  -  []  278.1 199.02 90 top
NOREF#912  -  []  412.2 278.14 0 top
NOREF#913  -  []  612.63 310.77 90 top
NOREF#914  -  []  90.59 198.63 90 top
NOREF#915  -  []  280.55 283.86 0 top
NOREF#916  -  []  81.66 262.57 90 top
NOREF#917  -  []  399.67 210.22 0 top
NOREF#918  -  []  282.49 201.83 0 top
NOREF#919  -  []  578 268.22 0 top
NOREF#920  -  []  257.73 53.56 90 top
NOREF#921  -  []  631.5 352.16 90 top
NOREF#922  -  []  503.77 33.53 0 top
NOREF#923  -  []  594.39 262.65 90 top
NOREF#924  -  []  360.57 213.99 90 top
NOREF#925  -  []  94.97 268.62 0 top
NOREF#926  -  []  280.28 47.53 90 top
NOREF#927  -  []  292.87 262.65 90 top
NOREF#928  -  []  586.33 240.8 90 top
NOREF#929  -  []  435.3 220.64 0 top
NOREF#930  -  []  95.77 200.62 0 top
NOREF#931  -  []  62.72 310.77 90 top
NOREF#932  -  []  158.28 435.1 0 top
NOREF#933  -  []  406.49 210.61 0 top
NOREF#934  -  []  401.69 259.43 0 top
NOREF#935  -  []  163.91 434.8 90 top
NOREF#936  -  []  204.06 443.79 0 top
NOREF#937  -  []  142.37 241.79 0 top
NOREF#938  -  []  20.42 449.2 90 top
NOREF#939  -  []  407.29 209.03 0 top
NOREF#940  -  []  92.17 269.85 90 top
NOREF#941  -  []  560.46 438.62 0 top
NOREF#942  -  []  594 198.2 90 top
NOREF#943  -  []  462.51 42.53 0 top
NOREF#944  -  []  103.75 289.46 90 top
NOREF#945  -  []  593.59 207.41 0 top
NOREF#946  -  []  511.08 44.55 0 top
NOREF#947  -  []  319.44 46.35 90 top
NOREF#948  -  []  4.29 234.23 0 top
NOREF#949  -  []  600.77 207.45 90 top
NOREF#950  -  []  97.01 289.44 90 top
NOREF#951  -  []  405.71 269.81 0 top
NOREF#952  -  []  499.32 35.81 90 top
NOREF#953  -  []  405.69 204.25 90 top
NOREF#954  -  []  600.37 265.42 0 top
NOREF#955  -  []  337.67 205.1 0 top
NOREF#956  -  []  104.51 208.13 0 top
NOREF#957  -  []  359.73 271.24 0 top
NOREF#958  -  []  612.96 273.5 90 top
NOREF#959  -  []  292.11 261.83 0 top
NOREF#960  -  []  404.11 207.43 0 top
NOREF#961  -  []  283.24 220.07 0 top
NOREF#962  -  []  286.07 267.82 0 top
NOREF#963  -  []  92.6 262.99 90 top
NOREF#964  -  []  162.2 425.5 0 top
NOREF#965  -  []  76.66 258.12 0 top
NOREF#966  -  []  498.27 228.77 90 top
NOREF#967  -  []  605.2 259.02 90 top
NOREF#968  -  []  105.27 309.63 90 top
NOREF#969  -  []  512.11 434.42 90 top
NOREF#970  -  []  94.1 229.19 90 top
NOREF#971  -  []  408.07 269.83 90 top
NOREF#972  -  []  604.77 201.05 90 top
NOREF#973  -  []  523.56 443.3 90 top
NOREF#974  -  []  98.59 208.21 0 top
NOREF#975  -  []  310.79 417.96 90 top
NOREF#976  -  []  609.98 210.47 0 top
NOREF#977  -  []  408.89 261.03 0 top
NOREF#978  -  []  345.89 138.61 0 top
NOREF#979  -  []  417.85 201.92 0 top
NOREF#980  -  []  596.01 204.21 0 top
NOREF#981  -  []  602.8 259.8 90 top
NOREF#982  -  []  352.2 203 0 top
NOREF#983  -  []  604.37 203.02 0 top
NOREF#984  -  []  433.97 55.76 90 top
NOREF#985  -  []  358.67 285.35 90 top
NOREF#986  -  []  440.02 282.34 0 top
NOREF#987  -  []  288.07 258.65 90 top
NOREF#988  -  []  413.67 210.63 90 top
NOREF#989  -  []  236.95 423.14 90 top
NOREF#990  -  []  336.65 277.66 0 top
NOREF#991  -  []  412.11 267.43 0 top
NOREF#992  -  []  325.24 240.39 90 top
NOREF#993  -  []  398.68 431.02 90 top
NOREF#994  -  []  171.86 34.29 90 top
NOREF#995  -  []  200.76 214.96 0 top
NOREF#996  -  []  88.99 269.83 90 top
NOREF#997  -  []  190.27 445.82 0 top
NOREF#998  -  []  283.29 269.83 90 top
NOREF#999  -  []  371.96 50.36 90 top
NOREF#1000  -  []  290.47 200.25 90 top
NOREF#1001  -  []  96.17 207.45 90 top
NOREF#1002  -  []  287.29 267.41 0 top
NOREF#1003  -  []  174.3 247.22 0 top
NOREF#1004  -  []  280.89 261.03 90 top
NOREF#1005  -  []  588.37 182.01 90 top
NOREF#1006  -  []  318.15 44.32 90 top
NOREF#1007  -  []  85.4 199.02 90 top
NOREF#1008  -  []  357.78 211.24 0 top
NOREF#1009  -  []  176.72 287.46 0 top
NOREF#1010  -  []  18.92 423.82 90 top
NOREF#1011  -  []  190.56 177.16 90 top
NOREF#1012  -  []  586.01 182.9 0 top
NOREF#1013  -  []  591.92 241.06 90 top
NOREF#1014  -  []  164.24 427.41 0 top
NOREF#1015  -  []  535.18 225.76 0 top
NOREF#1016  -  []  281.71 261.81 0 top
NOREF#1017  -  []  288.7 286.19 0 top
NOREF#1018  -  []  60.05 198.5 0 top
NOREF#1019  -  []  238.83 203.37 0 top
NOREF#1020  -  []  288.47 210.22 0 top
NOREF#1021  -  []  313.7 34.54 90 top
NOREF#1022  -  []  188.85 228.77 0 top
NOREF#1023  -  []  634.88 197.43 90 top
NOREF#1024  -  []  335.62 59.16 0 top
NOREF#1025  -  []  -6.71 236.6 0 top
NOREF#1026  -  []  596.37 265.42 0 top
NOREF#1027  -  []  89.4 209.4 90 top
NOREF#1028  -  []  289.71 208.23 0 top
NOREF#1029  -  []  328.31 426.39 0 top
NOREF#1030  -  []  281.3 199.8 90 top
NOREF#1031  -  []  595.17 211.43 90 top
NOREF#1032  -  []  406.1 263 90 top
NOREF#1033  -  []  284.11 267.43 0 top
NOREF#1034  -  []  404.09 270.63 0 top
NOREF#1035  -  []  238.83 261.77 90 top
NOREF#1036  -  []  674.38 228.33 0 top
NOREF#1037  -  []  324.89 232.64 0 top
NOREF#1038  -  []  89.79 261.03 90 top
NOREF#1039  -  []  97.01 200.23 0 top
NOREF#1040  -  []  412.95 278.14 0 top
NOREF#1041  -  []  276.81 219.15 90 top
NOREF#1042  -  []  402.07 207.02 0 top
NOREF#1043  -  []  604.01 273.81 0 top
NOREF#1044  -  []  274.78 282.96 90 top
NOREF#1045  -  []  95.39 259.45 90 top
NOREF#1046  -  []  379.01 206.2 0 top
NOREF#1047  -  []  325.24 241.04 90 top
NOREF#1048  -  []  601.2 260.59 90 top
NOREF#1049  -  []  105.14 289.44 90 top
NOREF#1050  -  []  628.51 256.98 0 top
NOREF#1051  -  []  35.29 472.89 90 top
NOREF#1052  -  []  88.21 267.41 0 top
NOREF#1053  -  []  441.21 220.31 90 top
NOREF#1054  -  []  586.52 204.65 90 top
NOREF#1055  -  []  85.58 157.86 0 top
NOREF#1056  -  []  336.67 228.96 90 top
NOREF#1057  -  []  248.78 425.56 0 top
NOREF#1058  -  []  8.06 429.93 0 top
NOREF#1059  -  []  28.42 -94.82 0 top
NOREF#1060  -  []  682.83 31.37 90 top
NOREF#1061  -  []  604.77 269.85 90 top
NOREF#1062  -  []  140.86 287.41 0 top
NOREF#1063  -  []  604.11 181.06 90 top
NOREF#1064  -  []  89.79 210.63 0 top
NOREF#1065  -  []  137.96 427.5 0 top
NOREF#1066  -  []  292.47 262.22 0 top
NOREF#1067  -  []  97.37 200.62 0 top
NOREF#1068  -  []  221.86 39.73 90 top
NOREF#1069  -  []  408.89 263.45 90 top
NOREF#1070  -  []  285.27 270.22 0 top
NOREF#1071  -  []  348.56 17.88 90 top
NOREF#1072  -  []  4.26 330.2 90 top
NOREF#1073  -  []  140.28 216.06 0 top
NOREF#1074  -  []  408.47 270.22 0 top
NOREF#1075  -  []  495.01 31.37 90 top
NOREF#1076  -  []  88.6 206.2 90 top
NOREF#1077  -  []  441.22 221.69 90 top
NOREF#1078  -  []  410.07 268.62 0 top
NOREF#1079  -  []  163.52 27.68 90 top
NOREF#1080  -  []  406.9 263 90 top
NOREF#1081  -  []  593.39 193.67 0 top
NOREF#1082  -  []  294.5 217.54 90 top
NOREF#1083  -  []  11.29 219.07 0 top
NOREF#1084  -  []  410.49 210.63 0 top
NOREF#1085  -  []  415.3 286.19 0 top
NOREF#1086  -  []  79.6 193.22 0 top
NOREF#1087  -  []  90.04 230.41 90 top
NOREF#1088  -  []  623.43 149.86 90 top
NOREF#1089  -  []  466.22 144.61 0 top
NOREF#1090  -  []  115.95 280.49 0 top
NOREF#1091  -  []  519.43 225.76 0 top
NOREF#1092  -  []  282.91 431.02 90 top
NOREF#1093  -  []  397.3 212.6 90 top
NOREF#1094  -  []  416.45 203.55 90 top
NOREF#1095  -  []  86.3 230.11 0 top
NOREF#1096  -  []  571.03 152.6 0 top
NOREF#1097  -  []  284.84 428.64 90 top
NOREF#1098  -  []  288.87 206.63 90 top
NOREF#1099  -  []  390.53 92.61 90 top
NOREF#1100  -  []  278.1 199.02 90 top
NOREF#1101  -  []  246.53 213.54 0 top
NOREF#1102  -  []  172.62 48.9 90 top
NOREF#1103  -  []  383.3 226.22 0 top
NOREF#1104  -  []  598.02 241.06 90 top
NOREF#1105  -  []  45.67 270.37 90 top
NOREF#1106  -  []  96.99 273.03 0 top
NOREF#1107  -  []  646.23 23.94 0 top
NOREF#1108  -  []  662.16 14.6 0 top
NOREF#1109  -  []  162.74 222.56 90 top
NOREF#1110  -  []  600.57 336.17 0 top
NOREF#1111  -  []  125.08 448.42 90 top
NOREF#1112  -  []  504.4 28.57 90 top
NOREF#1113  -  []  274.46 283.86 0 top
NOREF#1114  -  []  16.65 57.4 90 top
NOREF#1115  -  []  289.71 261.81 0 top
NOREF#1116  -  []  282.97 252.32 90 top
NOREF#1117  -  []  357.48 29.51 0 top
NOREF#1118  -  []  98.17 262.22 0 top
NOREF#1119  -  []  415.3 226.19 0 top
NOREF#1120  -  []  402.07 206.22 0 top
NOREF#1121  -  []  417.25 59.33 315 top
NOREF#1122  -  []  32.92 390.66 90 top
NOREF#1123  -  []  404.09 209.03 0 top
NOREF#1124  -  []  337.67 262.25 0 top
NOREF#1125  -  []  592.37 204.62 0 top
NOREF#1126  -  []  629.71 261.62 0 top
NOREF#1127  -  []  604.37 214.22 0 top
NOREF#1128  -  []  593.97 209.42 0 top
NOREF#1129  -  []  471.66 233.37 0 top
NOREF#1130  -  []  284.47 267.02 0 top
NOREF#1131  -  []  594.8 267 90 top
NOREF#1132  -  []  90.59 210.63 0 top
NOREF#1133  -  []  461.36 35.51 90 top
NOREF#1134  -  []  76.66 202.82 0 top
NOREF#1135  -  []  509.48 28.57 90 top
NOREF#1136  -  []  591.21 265.03 0 top
NOREF#1137  -  []  602.78 152.6 0 top
NOREF#1138  -  []  91.8 268.6 90 top
NOREF#1139  -  []  280.51 444.45 0 top
NOREF#1140  -  []  288.89 260.98 0 top
NOREF#1141  -  []  34.15 146.69 0 top
NOREF#1142  -  []  593.97 269.42 0 top
NOREF#1143  -  []  440.32 218.61 0 top
NOREF#1144  -  []  594.97 252.89 90 top
NOREF#1145  -  []  282.1 200.59 90 top
NOREF#1146  -  []  616.31 309.88 0 top
NOREF#1147  -  []  287.7 271.79 90 top
NOREF#1148  -  []  282.9 271 90 top
NOREF#1149  -  []  400.09 208.25 90 top
NOREF#1150  -  []  517.23 219.56 0 top
NOREF#1151  -  []  209.06 446.33 0 top
NOREF#1152  -  []  600.56 180.8 90 top
NOREF#1153  -  []  201.26 21.33 0 top
NOREF#1154  -  []  401.71 261.81 0 top
NOREF#1155  -  []  604.77 258.65 90 top
NOREF#1156  -  []  440.01 287.06 0 top
NOREF#1157  -  []  569.95 450.48 90 top
NOREF#1158  -  []  288.89 261.03 0 top
NOREF#1159  -  []  276.81 279.15 90 top
NOREF#1160  -  []  498.27 276.1 0 top
NOREF#1161  -  []  94.61 207.43 0 top
NOREF#1162  -  []  408.09 269.03 0 top
NOREF#1163  -  []  245.04 263.71 90 top
NOREF#1164  -  []  96.46 230.11 0 top
NOREF#1165  -  []  583.98 181.7 0 top
NOREF#1166  -  []  187.6 443.92 90 top
NOREF#1167  -  []  187.57 282.86 90 top
NOREF#1168  -  []  388.15 283.37 0 top
NOREF#1169  -  []  74.28 312.42 90 top
NOREF#1170  -  []  98.57 262.63 90 top
NOREF#1171  -  []  602.41 267.43 0 top
NOREF#1172  -  []  283.29 261.03 90 top
NOREF#1173  -  []  139.3 51.62 90 top
NOREF#1174  -  []  89.71 290.09 0 top
NOREF#1175  -  []  245.04 203.72 90 top
NOREF#1176  -  []  48.62 469.36 90 top
NOREF#1177  -  []  294.2 277.29 90 top
NOREF#1178  -  []  111.14 272.87 90 top
NOREF#1179  -  []  285.69 261.03 0 top
NOREF#1180  -  []  328.94 43.18 90 top
NOREF#1181  -  []  595.21 200.23 0 top
NOREF#1182  -  []  513.71 447.34 90 top
NOREF#1183  -  []  472.22 330.54 90 top
NOREF#1184  -  []  99 259.02 0 top
NOREF#1185  -  []  92.17 209.85 90 top
NOREF#1186  -  []  531.98 185.39 0 top
NOREF#1187  -  []  89.4 198.19 90 top
NOREF#1188  -  []  412.59 248.81 90 top
NOREF#1189  -  []  89.77 264.23 90 top
NOREF#1190  -  []  284.11 272.21 0 top
NOREF#1191  -  []  88.6 209.4 90 top
NOREF#1192  -  []  595.58 192.47 90 top
NOREF#1193  -  []  92.21 204.21 0 top
NOREF#1194  -  []  278.85 220.37 90 top
NOREF#1195  -  []  286.49 211.43 90 top
NOREF#1196  -  []  395.53 435.84 0 top
NOREF#1197  -  []  285.75 225.56 90 top
NOREF#1198  -  []  483.45 29.72 90 top
NOREF#1199  -  []  482.51 272.9 90 top
NOREF#1200  -  []  356.3 433.78 90 top
NOREF#1201  -  []  404.3 39.73 90 top
NOREF#1202  -  []  408.89 212.23 0 top
NOREF#1203  -  []  10.39 276.87 0 top
NOREF#1204  -  []  291.27 269.03 90 top
NOREF#1205  -  []  575.61 34.98 0 top
NOREF#1206  -  []  60.63 251.22 90 top
NOREF#1207  -  []  583.73 152.6 0 top
NOREF#1208  -  []  599.99 259.43 0 top
NOREF#1209  -  []  580.95 261.26 90 top
NOREF#1210  -  []  63.07 188.15 0 top
NOREF#1211  -  []  407.27 200.25 90 top
NOREF#1212  -  []  592.37 209.42 0 top
NOREF#1213  -  []  186.65 228.77 0 top
NOREF#1214  -  []  416.49 39.2 90 top
NOREF#1215  -  []  365.39 442.9 0 top
NOREF#1216  -  []  238.83 263.37 0 top
NOREF#1217  -  []  288.89 263.43 90 top
NOREF#1218  -  []  403.29 270.63 0 top
NOREF#1219  -  []  508.45 448.21 0 top
NOREF#1220  -  []  279.67 270.22 0 top
NOREF#1221  -  []  285.59 282.09 0 top
NOREF#1222  -  []  622.28 223.84 0 top
NOREF#1223  -  []  437.41 279.66 90 top
NOREF#1224  -  []  93.4 205.39 90 top
NOREF#1225  -  []  124.32 149.61 90 top
NOREF#1226  -  []  105.26 267.33 90 top
NOREF#1227  -  []  606.28 314.58 0 top
NOREF#1228  -  []  429.28 211.63 90 top
NOREF#1229  -  []  286.1 268.6 90 top
NOREF#1230  -  []  670.26 294.33 0 top
NOREF#1231  -  []  571.86 309.88 0 top
NOREF#1232  -  []  65.5 193.27 0 top
NOREF#1233  -  []  238.53 263.62 0 top
NOREF#1234  -  []  173.1 228.77 0 top
NOREF#1235  -  []  52.64 148.61 90 top
NOREF#1236  -  []  437.08 29.12 90 top
NOREF#1237  -  []  169.62 416.38 90 top
NOREF#1238  -  []  529.78 276.1 0 top
NOREF#1239  -  []  559.16 309.88 0 top
NOREF#1240  -  []  86.85 289.44 90 top
NOREF#1241  -  []  288.09 271.43 90 top
NOREF#1242  -  []  287.7 209.4 90 top
NOREF#1243  -  []  531.98 204.44 0 top
NOREF#1244  -  []  410.51 213.01 0 top
NOREF#1245  -  []  169.25 221.16 0 top
NOREF#1246  -  []  432.77 422.36 90 top
NOREF#1247  -  []  272.13 263.55 90 top
NOREF#1248  -  []  554.27 237 90 top
NOREF#1249  -  []  286.49 281.84 0 top
NOREF#1250  -  []  603.57 203.82 0 top
